# Altium PCB Main.PcbDoc (part 2 of 3) (continued)
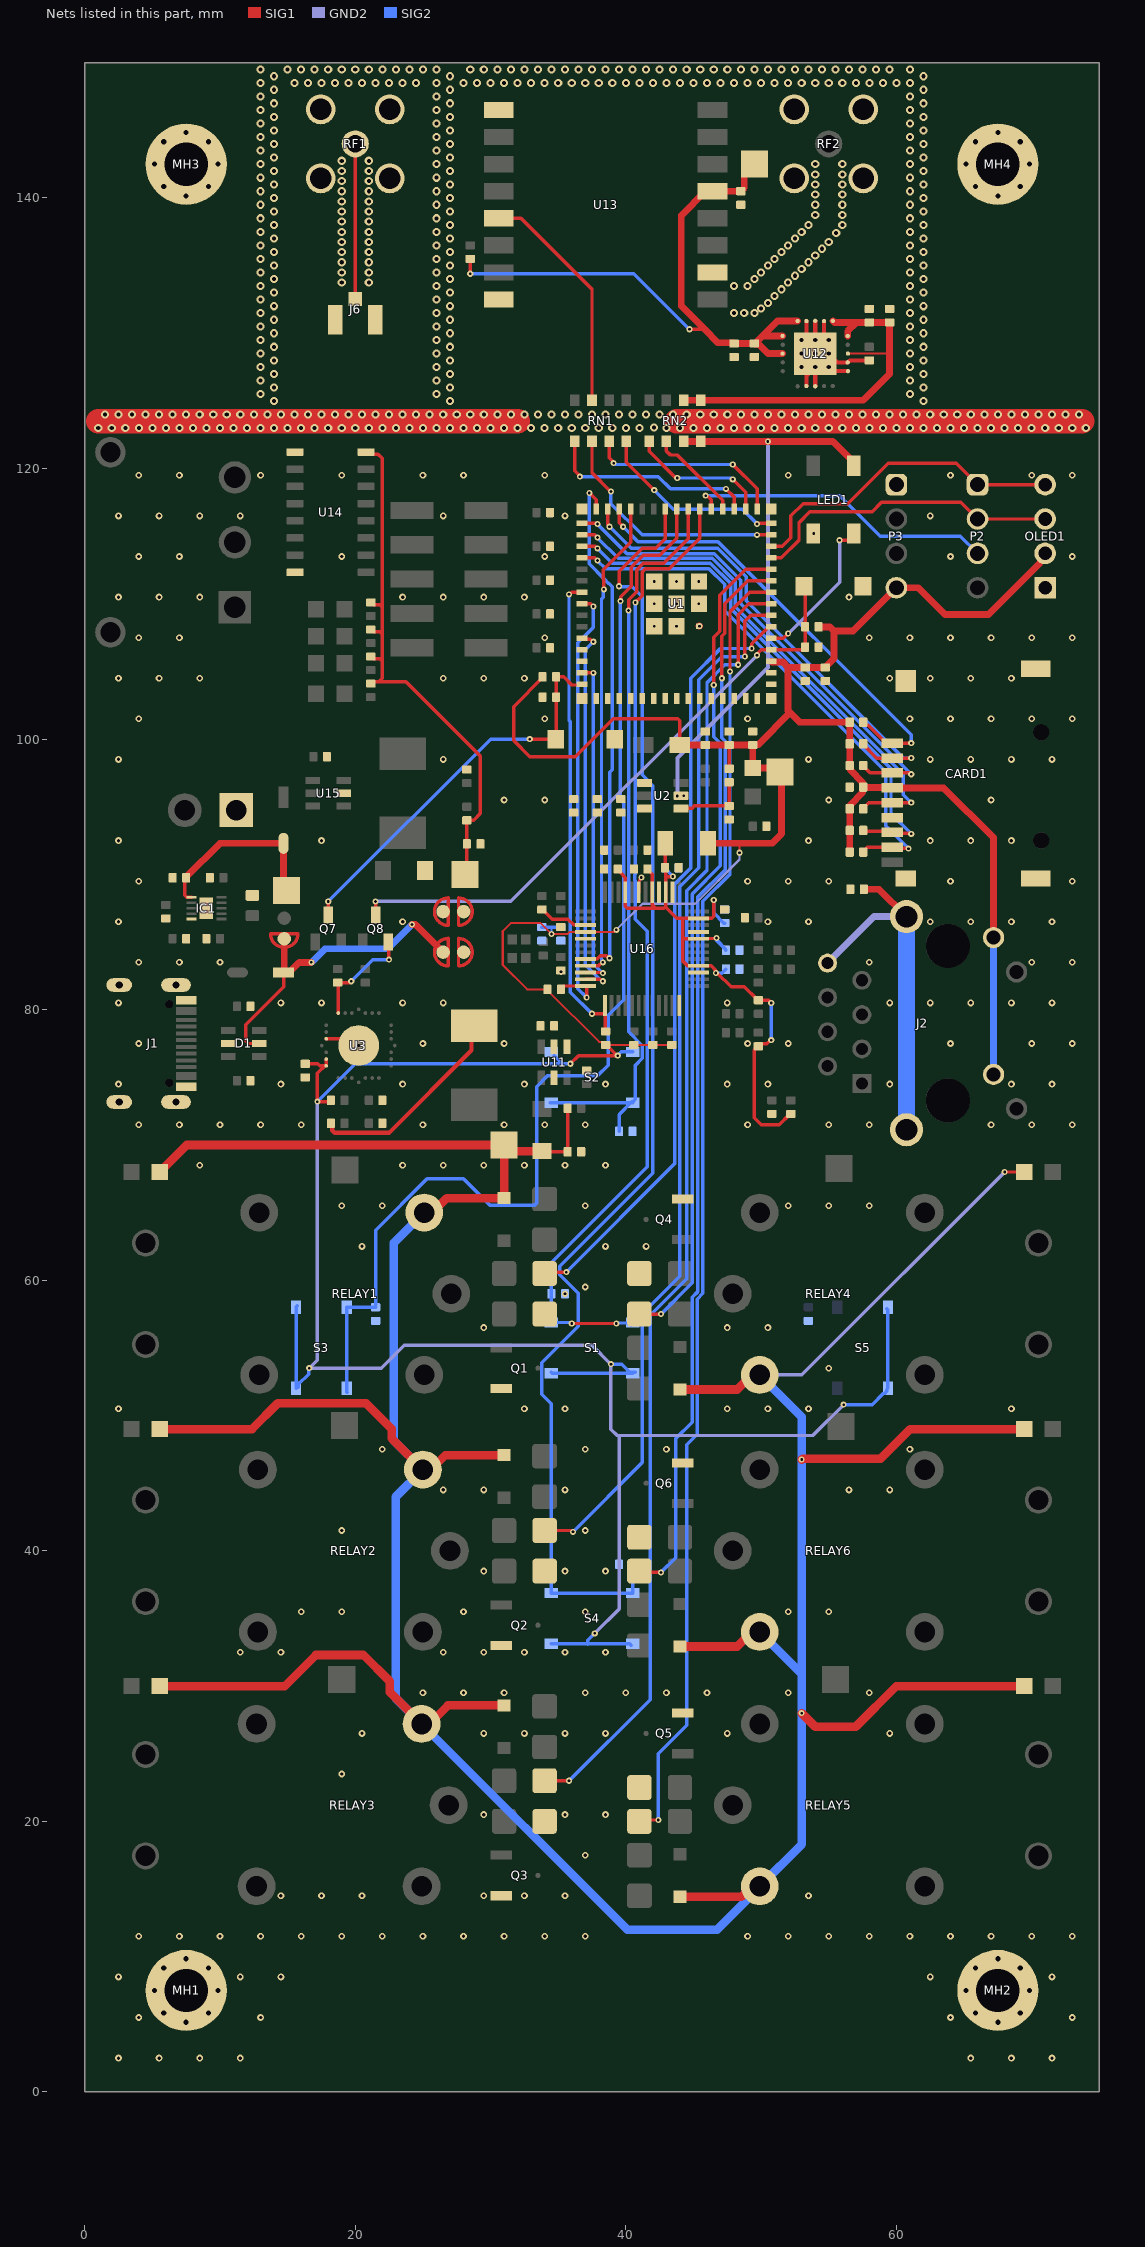
[diagram p4: the nets of this part, all layers, seen from the top]
## Via types
v1: diameter 0.6, hole 0.3, SIG1 to SIG2, 457 vias
v2: diameter 0.5, hole 0.25, SIG1 to SIG2, 260 vias
v3: diameter 0.45, hole 0.2, SIG1 to SIG2, 147 vias

## Nets (pads, with @x,y where several pads share a name; then routed paths per layer and width w, separated by ;. In a path a pad name is that pad's centre, name@x,y a point inside that pad or via, vN(x,y) a via of type N, cw(c..) or ccw(c..) an arc to the next point about the centre after c; other vN are vias at no path point)
+3V3: C6.2 C7.2 C8.2 C9.2 C10.2 C11.2 C12.2 C27.1 C28.2 CARD1.4 DS1.1 FB1.1 J2.10 J2.12 L1.2 OLED1.2 P3.4 R4.1 R6.2 R33.1 R34.1 R35.2 R36.2 R37.2 R38.2 R39.2 R40.2 R60.2 R61.2 R66.2 R67.2 R68.2 S1.A1 S1.B1 S2.A1 S2.B1 S3.A1 S3.B1 S4.A1 S4.B1 S5.A1 S5.B1 TP1.1 U1.3 U3.6 U3.7 U16.28 | length 310.3
  SIG1 w0.152: R61.2@38.4,77.5 38.276,77.624 38.026,77.624 34.2,81.45 R60.2@34.2,81.5 32.7,81.5 30.9,83.3 30.9,85.8 31.5,86.4 33.7,86.4 v3(34.5,85.6) 35.7,85.6 35.85,85.75 U16.28@37.02,85.75 39.15,85.75 v3(39.3,85.9) ; R61.2@38.65,77.4 R66.2@40.6,77.4 R67.2@41.9,77.4 ; R67.2@42,77.4 R68.2@43.5,77.4 ; 48.3,92.4 48.4,92.3 v3(48.4,91.6)
  SIG1 w0.244: C9.2@16.3,76 17.225,76 17.37,75.855 U3.7@17.8,75.855 ; U3.7@17.85,75.9 U3.6@17.85,76.35 ; R6.2@47.634,97.813 C7.2@47.634,99.563
  SIG1 w0.254: U3.7@17.8,75.9 17.2,75.3 v3(17.2,73.2) 18.027,73.2 18.2,73.373 R4.1@18.2,73.4 ; R34.1@33.9,104.6 31.7,102.4 31.7,99.9 32.9,98.7 36.266,98.7 39.082,101.516 43.835,101.516 43.984,101.367 L1.2@43.984,99.563 ; v3(35.9,76) 36.5,76.6 v3(39.4,76.6) 39.35,76.6 R61.2@38.65,77.3
  SIG1 w0.508: L1.2@43.984,99.563 C6.2@45.884,99.563 C7.2@47.634,99.563 C8.2@49.384,99.563 ; FB1.1@45.9,92.2 46,92.3 50.8,92.3 51.5,93 51.5,97.447 TP1.1@51.384,97.563 ; C8.2@49.4,99.6 49.384,99.584 DS1.1@49.384,97.863 51.137,97.863 TP1.1@51.411,97.589 ; C8.2@49.43,99.609 49.809,99.609 52.15,101.95 ; U1.3@50.75,105.75 50.804,105.696 51.604,105.696 52,105.3 ; R33.1@54.25,108.3 55.1,108.3 55.4,108 ; R35.2@56.55,91.65 R36.2@56.55,93.25 R37.2@56.55,94.85 56.596,94.896 56.596,95.146 57.504,96.054 57.504,96.404 C12.2@57.55,96.45 ; J2.12@67.2,85.1 67.18,85.12 67.18,92.72 63.5,96.4 CARD1.4@59.7,96.4 59.675,96.425 57.575,96.425 C12.2@57.55,96.45 ; OLED1.2@71,113.73 71,113.435 70.568,113.003 70.568,112.968 66.8,109.2 63.6,109.2 61.61,111.19 P3.4@60,111.19 56.81,108 55.4,108 ; 52,105.3 C10.2@53.25,105.3 C11.2@54.75,105.3 54.8,105.3 54.846,105.346 54.846,105.396 55.4,105.95 55.4,108 ; 52,105.3 52,102.1 52.85,101.25 R40.2@56.55,101.25 R39.2@56.55,99.65 R38.2@56.55,98.05 56.596,98.004 56.596,97.704 57.504,96.796 57.504,96.496 C12.2@57.55,96.45
  GND2 w0.152: v3(39.3,85.9) 41.228,87.828 45.128,87.828 48.4,91.1 v3(48.4,91.6)
  GND2 w0.254: v3(17.2,73.2) 17.2,54.1 v3(16.6,53.5) 21.927,53.5 23.627,55.2 37.5,55.2 v3(38.9,53.8) 38.9,49 39.377,48.523 39.5,48.523 ; v3(37.7,33.9) 39.5,35.7 39.5,48.523 ; v3(56.1,50.8) 53.823,48.523 39.5,48.523
  SIG2 w0.152: v3(34.5,85.6) 34.5,86.1
  SIG2 w0.254: S3.B1@15.625,52 15.625,58.025 S3.A1@15.7,58.1 ; S3.B1@15.8,52.1 15.8,52.3 16.562,53.062 16.562,53.462 v3(16.6,53.5) ; v3(17.2,73.2) 20,76 v3(35.9,76) ; C27.1@33.8,86.1 34.5,86.1 C28.2@35.2,86.1 ; S4.A1@34.5,33.125 40.275,33.125 S4.B1@40.4,33 ; S1.A1@34.5,53.2 34.575,53.125 S1.B1@40.5,53.125 ; S2.B1@34.7,76.6 35.294,76.006 ; 37.2,33.1 37.2,33.4 v3(37.7,33.9) ; v3(38.9,53.8) 39.7,53.8 40.3,53.2 S1.B1@40.7,53.2 ; v3(39.4,76.6) 39.675,76.875 S2.A1@40.5,76.875 ; v3(56.1,50.8) 58.2,50.8 59.027,51.627 59.127,51.627 59.3,51.8 S5.A1@59.3,51.9 ; S5.B1@59.3,57.9 59.375,57.825 S5.A1@59.375,52
  SIG2 w0.508: J2.10@67.18,75.215 67.18,85.08 J2.12@67.2,85.1
+3V3A: C29.1 C30.1 C31.1 C32.1 C33.1 C34.1 C35.1 FB1.2 R62.2 R63.2 R64.2 U16.4 U16.8 U16.11 U16.15 U16.17 U16.21 | length 50.7
  SIG1 w0.254: C31.1@39.5,90.25 39.817,89.933 39.817,89.894 39.95,89.76 U16.21@39.95,88.68 39.963,88.667 39.963,87.649 40.112,87.5 42.2,87.5 ; C30.1@41.6,90.4 41.6,90.35 41.95,90 U16.17@41.95,88.68 41.963,88.667 41.963,87.737 42.2,87.5 ; FB1.2@42.925,92.3 42.9,92.275 C35.1@42.9,90.5 42.937,90.463 42.937,89.8 ; v3@43.5,89.9 43.412,89.812 42.949,89.812 42.937,89.8 ; 44.2,86.7 44.2,85.399 ; v3(46.5,88.1) 46.5,86.912 46.351,86.763 45.393,86.763 U16.11@45.38,86.75 44.2,86.75 43.75,86.75 42.9,87.6 ; v3(46.7,85.3) 46.663,85.263 45.393,85.263 U16.8@45.38,85.25 44.349,85.25 44.2,85.399 ; R63.2@49.75,80.75 49.7,80.75 48.769,81.681 47.789,81.681 46.766,82.704 v3(46.652,82.704) 46.652,82.898 46.313,83.237 45.393,83.237 45.367,83.263 44.537,83.263 44.2,83.6 44.2,85.399 ; R63.2@49.8,80.7 50.55,80.7 v3(50.75,80.5) ; v3(50.75,77.75) 50.697,77.75 50.42,77.473 49.973,77.473 R62.2@49.8,77.3 49.75,77.3 49.577,77.127 49.577,77.077 49.5,77 49.5,72 50,71.5 51.35,71.5 52.1,72.25 R64.2@52.25,72.25 ; 42.2,87.5 42.8,87.5 42.9,87.6 ; 42.9,87.6 42.95,87.65 U16.15@42.95,88.68 42.937,88.693 42.937,89.8
  SIG2 w0.254: C29.1@42.9,90.5 42.9,90.45 43.473,89.877 v3(43.473,89.849) ; v3(46.5,88.1) 46.5,87.15 47.25,86.4 C32.1@47.3,86.4 ; v3(46.652,82.704) 47.104,82.704 C33.1@47.4,83 ; v3(46.7,85.3) 46.7,85.15 47.4,84.45 C34.1@47.4,84.4 ; v3(50.75,77.75) v3(50.75,80.5)
+3V3RF: C15.2 C16.2 C19.2 R16.1 TP5.1 U12.1 U12.3 U12.20 U13.13 | length 48.6
  SIG1 w0.254: v3(28.5,134.4) R16.1@28.5,135.5 ; v3(44.7,130.3) 45.8,130.3
  SIG1 w0.508: TP5.1@49.5,142.5 48.754,141.754 48.754,140.754 48.596,140.596 48.596,140.546 48.55,140.5 C19.2@48.5,140.5 U13.13@46.4,140.5 45.9,140.5 44.1,138.7 44.1,132 45.8,130.3 46.804,129.296 47.954,129.296 C16.2@48,129.25 C15.2@49.5,129.25 49.546,129.204 49.796,129.204 50.5,128.5 U12.3@51.582,128.5 ; C15.2@49.55,129.25 50.1,129.8 ; U12.1@51.582,129.8 50.1,129.8 ; U12.20@52.7,130.9 51.2,130.9 50.1,129.8
  SIG2 w0.254: v3(28.5,134.4) 40.6,134.4 v3(44.7,130.3)
+5V: C3.2 C4.2 C5.2 C23.2 L3.1 LED1.1 R10.2 RN2.3 RN2.4 SB2.2 SB3.2 U2.3 U2.5 U11.4 U11.5 | length 57.9
  SIG1 w0.305: R10.2@18.2,71.6 18.3,71.5 18.3,71.079 18.479,70.9 22.5,70.9 28.6,77 L3.1@28.6,78.8 ; U2.5@44.084,95.813 v3(44.287,95.813)
  SIG1 w0.508: RN2.3@44.27,122 RN2.4@45.54,122 v3(50.5,122) 55.3,122 56.85,120.45 LED1.1@56.85,120.2
  GND2 w0.305: v3(43.8,95.8) 43.813,95.813 43.813,98.613 50.5,105.3 v3(50.5,122)
+5V_B: C13.2 C14.2 RN2.5 RN2.6 U12.13 U12.15 U12.16 | length 28.4
  SIG1 w0.152: U12.13@56.418,128.5 59.5,128.5
  SIG1 w0.508: RN2.6@44.27,125.05 RN2.5@45.54,125.05 57.55,125.05 59.5,127 59.5,128.5 C14.2@59.5,130.8 57.05,130.8 ; U12.16@55.3,130.918 55.418,130.8 57.05,130.8 ; U12.15@56.4,129.8 56.4,130.15 57.05,130.8
+12V: C24.2 D9.1 DS2.1 DS3.1 DS4.1 DS5.1 DS6.1 DS7.1 R11.2 RELAY1.1 RELAY2.1 RELAY3.1 RELAY4.1 RELAY5.1 RELAY6.1 TP4.1 Z1.1 Z2.1 Z3.1 Z4.1 Z5.1 Z6.1 | length 301.5
  SIG1 w0.254: D9.1@33.8,69.55 33.85,69.5 C24.2@35.7,69.5 R11.2@35.7,72.7 ; v3(68,68) DS5.1@69.45,68
  SIG1 w0.635: DS4.1@5.55,30 14.8,30 17.1,32.3 20.6,32.3 22.543,30.357 22.543,29.557 24.5,27.6 RELAY3.1@24.5,27.4 ; DS3.1@5.55,49 12.366,49 14.266,50.9 20.8,50.9 22.693,49.007 22.693,48.307 RELAY2.1@24.8,46.2 ; DS2.1@5.55,68 7.55,70 TP4.1@31,70 ; RELAY3.1@24.9,27.2 25.473,27.2 26.848,28.575 Z3.1@31,28.575 ; RELAY2.1@25,46 25.584,46 26.659,47.075 Z2.1@31,47.075 ; RELAY1.1@25.1,65 25.684,65 26.759,66.075 Z1.1@31,66.075 TP4.1@31,70 ; D9.1@33.8,69.55 31.45,69.55 TP4.1@31,70 ; Z5.1@44,14.425 48.541,14.425 49.316,15.2 RELAY5.1@49.9,15.2 ; Z6.1@44,32.925 48.241,32.925 49.316,34 RELAY6.1@49.9,34 ; Z4.1@44,51.925 48.241,51.925 49.316,53 RELAY4.1@49.9,53 ; v3(53,28) 54,27 57,27 60,30 DS6.1@69.45,30 ; v3(53,46.75) 53.065,46.815 58.844,46.815 61.028,49 DS7.1@69.45,49
  GND2 w0.254: RELAY4.1@49.9,53 53,53 v3(68,68)
  SIG2 w0.635: RELAY1.1@25.1,65 22.85,62.75 22.85,48.15 RELAY2.1@25,46 23,44 23,29.1 RELAY3.1@24.9,27.2 40.1,12 46.75,12 49.9,15.15 RELAY5.1@49.9,15.2 53,18.3 v3(53,28) 53,30.9 ; RELAY6.1@49.9,34 53,30.9 ; RELAY4.1@49.9,53 53,49.9 v3(53,46.75) 53,30.9
+BAT_5V: C26.2 D6.1 R54.1 R55.1 R56.1 R57.1 R58.2 SB2.1 TP19.1 U14.16 | length 40.8
  SIG1 w0.254: U14.16@20.8,121.22 20.948,121.072 21.678,121.072 22,120.75 22,109.75 ; R56.1@21.15,106.1 21.323,105.927 21.823,105.927 22,105.75 ; R55.1@21.15,108.1 21.323,107.927 21.823,107.927 22,107.75 ; R54.1@21.15,110.1 21.323,109.927 21.823,109.927 22,109.75 ; R57.1@21.25,104.25 23.75,104.25 29.25,98.75 29.25,94.5 28.75,94 R58.2@28.25,94 C26.2@28.25,92.25 28.25,90.15 TP19.1@28.1,90 ; 21.75,104.25 22,104.5 22,105.75 ; 22,105.75 22,107.75 ; 22,107.75 22,109.75
+VBAT: C22.2 D3.2 IC1.1 TP13.1 | length 13.8
  SIG1 w0.254: C22.2@7.5,89.75 7.4,89.65 7.4,88.449 7.549,88.3 IC1.1@7.9,88.3
  SIG1 w0.508: C22.2@7.5,89.75 7.5,89.8 10,92.3 D3.2@14.7,92.3 14.7,89 TP13.1@14.9,88.8
+VUSB: D1.5 D2.1 SB1.1 SB3.1 | length 23.9
  SIG1 w0.254: D1.5@12.899,77.5 12.1,77.5 11.9,77.7 11.9,78.9 14.7,81.7 D2.1@14.7,82.75
  SIG1 w0.508: SB1.1@14.75,85.238 14.75,82.8 D2.1@14.7,82.75 15.108,82.75 15.858,83.5 v3(16.75,83.5) ; v3(24.2,86.3) 24.438,86.3 SB3.1@26.488,84.25
  SIG2 w0.508: v3(16.75,83.5) 17.75,84.5 22.4,84.5 v3(24.2,86.3)
ACTLED: R72.2 U16.27 | length 3.7
  SIG1 w0.254: R72.2@33.8,87.4 33.85,87.4 34.55,86.7 35.7,86.7 36.137,86.263 37.007,86.263 U16.27@37.02,86.25
BOOT0: C18.2 Q8.3 R33.2 SW2.2 U1.4 | length 45.1
  SIG1 w0.254: Q8.3@21.5,87 v3(21.5,88) ; v3(49.7,106.2) 49.738,106.238 49.738,106.338 50,106.6 53.077,106.6 53.25,106.773 C18.2@53.25,106.8 R33.2@53.25,108.3 53.25,111.215 SW2.2@53.165,111.3
  GND2 w0.254: v3(21.5,88) 31.5,88 v3(49.7,106.2)
CGND: C44.2 J2.8 J2.13 J2.14 | length 27.2
  SIG1 w0.508: C44.2@57.6,88.9 58.725,88.9 J2.14@60.75,86.875
  GND2 w0.508: J2.8@54.91,83.445 58.34,86.875 60.775,86.875 J2.14@60.8,86.9
  SIG2 w1.27: J2.13@60.75,71.125 60.75,86.95 J2.14@60.8,87
CLK: CARD1.5 R37.1 U1.32 | length 38.3
  SIG1 w0.254: U1.32@36.75,115.1 37.7,115.1 v3(37.9,114.9) ; R37.1@57.55,94.85 57.55,94.9 57.95,95.3 CARD1.5@59.7,95.3 v3(61.1,95.3)
  SIG2 w0.254: v3(37.9,114.9) 39.444,113.356 46.396,113.356 48.1,111.652 48.1,109.8 60.5,97.4 60.5,95.9 v3(61.1,95.3)
CMD: CARD1.3 R38.1 U1.31 | length 36.9
  SIG1 w0.254: U1.31@36.75,115.95 37.85,115.95 v3(37.9,115.9) ; R38.1@57.55,98.05 57.55,98 58.05,97.5 CARD1.3@59.7,97.5 60.947,97.5 61.047,97.4 v3(61.1,97.4)
  SIG2 w0.254: v3(37.9,115.9) 40.088,113.712 46.544,113.712 48.5,111.756 48.5,110 v3(61.1,97.4)
CS: RN1.2 U1.14 | length 18
  SIG1 w0.254: RN1.2@37.5,122 37.5,119.7 v3(38.9,118.3) ; v3(49.7,115.1) U1.14@50.75,115.1
  SIG2 w0.254: v3(38.9,118.3) 38.9,117.4 41.2,115.1 v3(49.7,115.1)
CS_B: RN1.7 U13.5 | length 17.3
  SIG1 w0.254: U13.5@30.6,138.5 32.25,138.5 37.5,133.25 RN1.7@37.5,125.05
D0: CARD1.7 R36.1 U1.33 | length 39.8
  SIG1 w0.254: U1.33@36.75,114.25 37.75,114.25 v3(37.9,114.1) ; R36.1@57.55,93.25 57.625,93.175 59.625,93.175 CARD1.7@59.7,93.1 59.763,93.038 61.062,93.038 v3(61.1,93)
  SIG2 w0.254: v3(37.9,114.1) 39,113 46.249,113 47.744,111.505 47.744,109.653 59.6,97.797 59.6,94.5 v3(61.1,93)
D1: CARD1.8 R35.1 U1.34 | length 40.1
  SIG1 w0.254: U1.34@36.75,113.4 37.7,113.4 v3(37.9,113.2) ; R35.1@57.55,91.65 57.55,91.7 57.85,92 CARD1.8@59.7,92 59.763,91.938 60.862,91.938 v3(60.9,91.9)
  SIG2 w0.254: v3(37.9,113.2) 38.5,112.6 46.145,112.6 47.3,111.445 47.3,109.5 59.2,97.6 59.2,93.6 v3(60.9,91.9)
D2: CARD1.1 R40.1 U1.28 | length 33.9
  SIG1 w0.254: U1.28@39.5,117 39.5,116 v3(39.8,115.7) ; R40.1@57.55,101.25 57.55,101.2 57.723,101.027 57.923,101.027 59.25,99.7 CARD1.1@59.7,99.7 v3(61.1,99.7)
  SIG2 w0.254: v3(39.8,115.7) 40.9,114.6 46.812,114.6 61.097,100.315 61.097,99.703 v3(61.1,99.7)
D3: CARD1.2 R39.1 U1.29 | length 35.8
  SIG1 w0.254: U1.29@38.65,117 38.65,115.85 v3(38.8,115.7) ; R39.1@57.55,99.65 57.55,99.6 58.55,98.6 CARD1.2@59.7,98.6 v3(61.1,98.6)
  SIG2 w0.254: v3(38.8,115.7) 40.389,114.111 46.797,114.111 48.901,112.007 48.901,110.222 60.523,98.6 v3(61.1,98.6)
DTR: Q8.2 R9.2 U3.28 | length 8.1
  SIG1 w0.254: U3.28@18.75,79.75 18.747,79.753 18.747,81.953 R9.2@18.7,82 19.547,82 19.647,82.1 v3(19.7,82.1) ; Q8.2@22.45,85 22.475,84.975 22.475,83.725 v3(22.5,83.7)
  SIG2 w0.254: v3(19.7,82.1) 21.3,83.7 v3(22.5,83.7)
EN: C1.2 Q7.3 R34.2 SW1.2 U1.45 | length 29.6
  SIG1 w0.254: Q7.3@18,87 v3(18,88) ; v3(32.9,100) SW1.2@34.815,100 34.85,100.035 C1.2@34.85,103.1 R34.2@34.85,104.6 35.4,104.6 36,104 36.7,104 U1.45@36.75,104.05
  SIG2 w0.254: v3(18,88) 30,100 v3(32.9,100)
ESP32_RF: J6.1 RF1.5 | length 11.5
  SIG1 w0.254: J6.1@20,132.525 RF1.5@20,144
ETH_CLK: U1.27 U16.33 | length 35.9
  SIG1 w0.254: U16.33@37.02,83.25 37.033,83.263 38.01,83.263 38.247,83.5 v3(38.3,83.5) ; v3(38.377,111.074) 38.377,111.798 38.323,111.852 38.323,112.523 40.35,114.55 U1.27@40.35,117
  SIG2 w0.254: v3(38.3,83.5) 38.3,83.553 38.2,83.653 38.2,110.341 38.339,110.48 38.339,111.037 v3(38.377,111.074)
ETH_INTN: R60.1 U1.38 U16.36 | length 33.4
  SIG1 w0.254: R60.1@35.2,81.5 35.2,81.55 35.373,81.723 35.423,81.723 35.45,81.75 U16.36@37.02,81.75 ; U1.38@36.75,110 37.4,110 v3(37.6,109.8) ; U16.36@37.087,81.75 37.1,81.737 v3(37.1,80.9)
  SIG2 w0.254: v3(37.1,80.9) 36.456,81.544 36.456,107.108 37.6,108.252 v3(37.6,109.8)
ETH_MISO: U1.44 U16.34 | length 24.6
  SIG1 w0.254: U1.44@36.75,104.9 v3(37.6,104.9) ; U16.34@37.02,82.75 38.197,82.75 38.247,82.7 v3(38.3,82.7)
  SIG2 w0.254: v3(37.6,104.9) 37.6,83.4 v3(38.3,82.7)
ETH_MOSI: U1.41 U16.35 | length 28.2
  SIG1 w0.254: U1.41@36.75,107.45 36.823,107.377 37.37,107.377 37.547,107.2 v3(37.6,107.2) ; U16.35@37.02,82.25 37.033,82.237 38.11,82.237 38.247,82.1 v3(38.3,82.1)
  SIG2 w0.254: v3(37.6,107.2) 37,106.6 37,83.323 38.223,82.1 v3(38.3,82.1)
ETH_NCS: U1.30 U16.32 | length 38.6
  SIG1 w0.254: U16.32@37.02,83.75 37.033,83.763 37.886,83.763 38.1,83.977 38.57,83.977 38.747,83.8 v3(38.8,83.8) ; v3(37.3,118.2) 37.8,117.7 U1.30@37.8,117
  SIG2 w0.254: v3(37.3,118.2) 37.3,112.948 38.423,111.825 38.423,111.802 38.702,111.523 38.725,111.523 39,111.248 39,97.738 38.8,97.538 v3(38.8,83.8)
ETH_NRST: R61.1 U1.37 U16.37 | length 36.1
  SIG1 w0.254: v3(35.8,110.7) 35.853,110.7 36.003,110.85 U1.37@36.75,110.85 ; v3(37.5,79.7) 38.437,79.7 38.45,79.713 U16.37@38.45,80.32 38.463,80.307 38.463,78.563 R61.1@38.4,78.5
  SIG2 w0.254: v3(35.8,110.7) 35.8,101.4 35.9,101.3 35.9,81.3 v3(37.5,79.7)
FB: R6.1 R7.2 U2.4 | length 5.4
  SIG1 w0.254: U2.4@44.084,94.863 44.121,94.9 44.9,94.9 45.063,95.063 R7.2@47.634,95.063 R6.1@47.634,96.813
GND: C1.1 C3.1 C4.1 C5.1 C6.1 C7.1 C8.1 C9.1 C10.1 C11.1 C12.1 C13.1 C14.1 C15.1 C16.1 C17.2 C18.1 C19.1 C20.1 C21.2 C22.1 C23.1 C24.1 C25.1 C26.1 C27.2 C28.1 C29.2 C30.2 C31.2 C32.2 C33.2 C34.2 C35.2 C36.1 C37.1 C39.1 C41.1 C42.1 C43.1 C44.1 CARD1.6 CARD1.10 CARD1.11 CARD1.12 CARD1.13 D1.2 IC1.5 IC1.11 J1.A1B12 J1.B1A12 J1.SH J6.2 J6.3 LED1.3 MH1.1 MH2.1 MH3.1 MH4.1 OLED1.1 P3.1 Q1.3 Q2.3 Q3.3 Q4.3 Q5.3 Q6.3 R2.2 R3.2 R5.1 R7.1 R8.1 R15.1 R19.1 R20.1 R27.1 R28.1 R29.1 R30.1 R32.1 R41.1 R42.1 R43.1 R44.2 R45.2 R46.2 R47.2 R48.2 R49.2 R50.2 R51.2 R52.2 R53.2 R59.1 R69.1 RF1.1 RF1.2 RF1.3 RF1.4 RF2.1 RF2.2 RF2.3 RF2.4 SW1.1 SW2.1 U1.1 U1.2 U1.42 U1.43 U1.46 U1.47 U1.48 U1.49 U1.50 U1.51 U1.52 U1.53 U1.54 U1.55 U1.56 U1.57 U1.58 U1.59 U1.60 U1.61_1 U1.61_2 U1.61_3 U1.61_4 U1.61_5 U1.61_6 U1.61_7 U1.61_8 U1.61_9 U1.62 U1.63 U1.64 U1.65 U2.1 U3.3 U3.29 U10.1 U11.2 U12.7 U12.8 U12.11 U12.12 U12.17 U12.18 U12.19 U12.21 U13.1 U13.8 U13.10 U14.1 U14.8 U15.2 U16.3 U16.9 U16.14 U16.16 U16.19 U16.29 U16.48 | length 86.8
  SIG1 w0.203: U16.19@40.95,88.68 40.988,88.718 40.988,89.535 41.144,89.69 v3(41.144,89.768)
  SIG1 w0.254: U3.3@17.85,77.85 17.853,77.847 19.753,77.847 U3.29@20.2,77.4 ; LED1.3@53.85,115.2 v3(53.9,115.2)
  SIG1 w0.305: v1(53,129.5) 53.35,129.85 U12.19@53.35,130.9 ; U12.7@53.35,126.1 53.35,126.857 53.993,127.5 v1(54,127.5) U12.8@54,126.082 ; v1(54,129.5) U12.18@54,130.918 ; U12.17@54.65,130.9 54.65,129.85 v1(55,129.5) ; v1(55,127.5) 55.3,127.2 U12.11@56.418,127.2 ; U12.21@55,128.493 55.643,127.85 U12.12@56.4,127.85 56.403,127.85 56.553,128 C17.2@58,128
  SIG1 w0.508: U1.61_1@45.4,108.35 v3(45.45,108.35)
  SIG1 w1.8: 1,123.5 1.5,123.5 2,123.5 15,123.5 ; 13.5,123.5 15,123.5 ; 17.5,123.5 15,123.5 ; 22.5,123.5 25,123.5 ; 25.5,123.5 25,123.5 ; 27.5,123.5 25,123.5 ; 32,123.5 25,123.5 ; 43.75,123.5 44,123.5 44.5,123.5 45.5,123.5 46,123.5 46.5,123.5 47,123.5 48,123.5 48.5,123.5 49,123.5 49.5,123.5 50.5,123.5 51,123.5 51.5,123.5 52,123.5 53,123.5 53.5,123.5 54,123.5 54.5,123.5 55.5,123.5 56,123.5 56.5,123.5 57,123.5 58,123.5 58.5,123.5 59,123.5 59.5,123.5 60.5,123.5 61,123.5 61.5,123.5 62,123.5 63,123.5 63.5,123.5 64,123.5 64.5,123.5 65.5,123.5 66,123.5 66.5,123.5 67,123.5 68,123.5 68.5,123.5 69,123.5 69.5,123.5 70.5,123.5 71,123.5 71.5,123.5 72,123.5 73,123.5 73.5,123.5 73.75,123.5 ; 15,123.5 25,123.5
  other v1: 1,123 2,123 3,123 4,123 5,123 6,123 7,123 8,123 9,123 10,123 11,123 12,123 13,123 14,123 15,123 16,123 17,123 18,123 19,123 20,123 21,123 22,123 23,123 24,123 25,123 26,123 27,123 28,123 29,123 30,123 31,123 32,123 33,123 34,123 35,123 36,123 37,123 38,123 39,123 40,123 41,123 43,123 44,123 45,123 46,123 47,123 48,123 49,123 50,123 51,123 52,123 53,123 54,123 55,123 56,123 57,123 58,123 59,123 60,123 61,123 62,123 63,123 64,123 65,123 66,123 67,123 68,123 69,123 70,123 71,123 72,123 73,123 74,123 42.092,123.037 1.5,124 2.5,124 3.5,124 4.5,124 5.5,124 6.5,124 7.5,124 8.5,124 9.5,124 10.5,124 11.5,124 12.5,124 13.5,124 14.5,124 15.5,124 16.5,124 17.5,124 18.5,124 19.5,124 20.5,124 21.5,124 22.5,124 23.5,124 24.5,124 25.5,124 26.5,124 27.5,124 28.5,124 29.5,124 30.5,124 31.5,124 32.5,124 33.5,124 34.5,124 35.5,124 36.5,124 37.5,124 38.5,124 39.5,124 40.5,124 41.5,124 42.5,124 43.5,124 44.5,124 45.5,124 46.5,124 47.5,124 48.5,124 49.5,124 50.5,124 51.5,124 52.5,124 53.5,124 54.5,124 55.5,124 56.5,124 57.5,124 58.5,124 59.5,124 60.5,124 61.5,124 62.5,124 63.5,124 64.5,124 65.5,124 66.5,124 67.5,124 68.5,124 69.5,124 70.5,124 71.5,124 72.5,124 73.5,124 14,125 27,125 62,125 13,125.5 26,125.5 61,125.5 14,126 27,126 62,126 13,126.5 26,126.5 61,126.5 14,127 27,127 62,127 13,127.5 26,127.5 53,127.5 61,127.5 14,128 27,128 62,128 13,128.5 26,128.5 53,128.5 54,128.5 55,128.5 61,128.5 14,129 27,129 62,129 13,129.5 26,129.5 61,129.5 14,130 27,130 62,130 13,130.5 26,130.5 61,130.5 14,131 27,131 62,131 13,131.5 26,131.5 48,131.5 48.75,131.5 49.5,131.5 61,131.5 49.996,131.834 14,132 27,132 62,132 50.5,132.25 13,132.5 26,132.5 61,132.5 51,132.75 14,133 27,133 62,133 51.5,133.25 13,133.5 26,133.5 48,133.5 49,133.5 61,133.5 19,133.75 21,133.75 52,133.75 14,134 27,134 49.5,134 62,134 52.5,134.25 13,134.5 19,134.5 21,134.5 26,134.5 50,134.5 61,134.5 53,134.75 14,135 27,135 50.5,135 62,135 19,135.25 21,135.25 53.5,135.25 13,135.5 26,135.5 51,135.5 61,135.5 54,135.75 14,136 19,136 21,136 27,136 51.5,136 62,136 54.5,136.25 13,136.5 26,136.5 52,136.5 61,136.5 19,136.75 21,136.75 55,136.75 14,137 27,137 52.5,137 62,137 55.551,137.412 13,137.5 19,137.5 21,137.5 26,137.5 53,137.5 61,137.5 14,138 27,138 53.5,138 56,138 62,138 19,138.25 21,138.25 13,138.5 26,138.5 61,138.5 54,138.75 56,138.75 14,139 19,139 21,139 27,139 62,139 13,139.5 26,139.5 54,139.5 56,139.5 61,139.5 19,139.75 21,139.75 14,140 27,140 62,140 54,140.25 56,140.25 13,140.5 19,140.5 21,140.5 26,140.5 61,140.5 14,141 27,141 54,141 56,141 62,141 19,141.25 21,141.25 13,141.5 26,141.5 61,141.5 54,141.75 56,141.75 14,142 19,142 21,142 27,142 62,142 13,142.5 26,142.5 54,142.5 56,142.5 61,142.5 19,142.75 21,142.75 14,143 27,143 62,143 13,143.5 26,143.5 61,143.5 14,144 27,144 62,144 13,144.5 26,144.5 61,144.5 14,145 27,145 62,145 13,145.5 26,145.5 61,145.5 14,146 27,146 62,146 13,146.5 26,146.5 61,146.5 14,147 27,147 62,147 13,147.5 26,147.5 61,147.5 14,148 27,148 62,148 13,148.5 15.5,148.5 16.5,148.5 17.5,148.5 18.5,148.5 19.5,148.5 20.5,148.5 21.5,148.5 22.5,148.5 23.5,148.5 24.5,148.5 26,148.5 28,148.5 29,148.5 30,148.5 31,148.5 32,148.5 33,148.5 34,148.5 35,148.5 36,148.5 37,148.5 38,148.5 39,148.5 40,148.5 41,148.5 42,148.5 43,148.5 44,148.5 45,148.5 46,148.5 47,148.5 48,148.5 49,148.5 50,148.5 51,148.5 52,148.5 53,148.5 54,148.5 55,148.5 56,148.5 57,148.5 58,148.5 59,148.5 60,148.5 61,148.5 14,149 27,149 62,149 13,149.5 15,149.5 16,149.5 17,149.5 18,149.5 19,149.5 20,149.5 21,149.5 22,149.5 23,149.5 24,149.5 25,149.5 26,149.5 28.5,149.5 29.5,149.5 30.5,149.5 31.5,149.5 32.5,149.5 33.5,149.5 34.5,149.5 35.5,149.5 36.5,149.5 37.5,149.5 38.5,149.5 39.5,149.5 40.5,149.5 41.5,149.5 42.5,149.5 43.5,149.5 44.5,149.5 45.5,149.5 46.5,149.5 47.5,149.5 48.5,149.5 49.5,149.5 50.5,149.5 51.5,149.5 52.5,149.5 53.5,149.5 54.5,149.5 55.5,149.5 56.5,149.5 57.5,149.5 58.5,149.5 59.5,149.5 61,149.5
  other v2: 2.5,2.5 5.5,2.5 8.5,2.5 11.5,2.5 65.5,2.5 68.5,2.5 71.5,2.5 4,5.5 13,5.5 64,5.5 73,5.5 2.5,8.5 11.5,8.5 14.5,8.5 62.5,8.5 71.5,8.5 4,11.5 7,11.5 10,11.5 13,11.5 16,11.5 19,11.5 22,11.5 25,11.5 28,11.5 31,11.5 34,11.5 37,11.5 49,11.5 52,11.5 55,11.5 58,11.5 61,11.5 64,11.5 67,11.5 70,11.5 73,11.5 14.5,14.5 17.5,14.5 20.5,14.5 29.5,14.5 32.5,14.5 35.5,14.5 53.5,14.5 37,17.5 29.5,20.5 35.5,20.5 38.5,20.5 19,23.5 20.5,26.5 29.5,26.5 32.5,26.5 35.5,26.5 38.5,26.5 47.5,26.5 59.5,26.5 25,29.5 28,29.5 31,29.5 37,29.5 40,29.5 43,29.5 46,29.5 52,29.5 58,29.5 11.5,32.5 14.5,32.5 26.5,32.5 29.5,32.5 32.5,32.5 35.5,32.5 38.5,32.5 16,35.5 19,35.5 28,35.5 37,35.5 52,35.5 55,35.5 29.5,38.5 35.5,38.5 38.5,38.5 19,41.5 37,41.5 26.5,44.5 29.5,44.5 35.5,44.5 56.5,44.5 59.5,44.5 22,47.5 37,47.5 43,47.5 61,47.5 2.5,50.5 32.5,50.5 35.5,50.5 47.5,50.5 50.5,50.5 53.5,50.5 68.5,50.5 55,53.5 29.5,56.5 47.5,56.5 50.5,56.5 37,59.5 20.5,62.5 38.5,62.5 41.5,62.5 19,65.5 22,65.5 37,65.5 52,65.5 55,65.5 58,65.5 8.5,68.5 23.5,68.5 26.5,68.5 29.5,68.5 32.5,68.5 35.5,68.5 38.5,68.5 4,71.5 7,71.5 10,71.5 13,71.5 16,71.5 25,71.5 31,71.5 34,71.5 37,71.5 49,71.5 55,71.5 58,71.5 67,71.5 70,71.5 73,71.5 2.5,74.5 14.5,74.5 23.5,74.5 32.5,74.5 38.5,74.5 47.5,74.5 50.5,74.5 59.5,74.5 68.5,74.5 71.5,74.5 4,77.5 25,77.5 31,77.5 49,77.5 52,77.5 64,77.5 70,77.5 73,77.5 2.5,80.5 14.5,80.5 17.5,80.5 23.5,80.5 26.5,80.5 47.5,80.5 59.5,80.5 62.5,80.5 65.5,80.5 68.5,80.5 71.5,80.5 4,83.5 7,83.5 10,83.5 58,83.5 70,83.5 73,83.5 2.5,86.5 23.5,86.5 50.5,86.5 53.5,86.5 62.5,86.5 65.5,86.5 68.5,86.5 71.5,86.5 4,89.5 49,89.5 52,89.5 55,89.5 64,89.5 73,89.5 2.5,92.5 17.5,92.5 53.5,92.5 62.5,92.5 65.5,92.5 68.5,92.5 31,95.5 34,95.5 55,95.5 67,95.5 2.5,98.5 26.5,98.5 53.5,98.5 62.5,98.5 65.5,98.5 68.5,98.5 71.5,98.5 4,101.5 34,101.5 49,101.5 61,101.5 64,101.5 67,101.5 70,101.5 73,101.5 2.5,104.5 5.5,104.5 8.5,104.5 26.5,104.5 29.5,104.5 32.5,104.5 59.5,104.5 62.5,104.5 65.5,104.5 68.5,104.5 4,107.5 7,107.5 34,107.5 58,107.5 61,107.5 64,107.5 67,107.5 70,107.5 73,107.5 2.5,110.5 5.5,110.5 8.5,110.5 23.5,110.5 26.5,110.5 29.5,110.5 32.5,110.5 56.5,110.5 4,113.5 7,113.5 19,113.5 34,113.5 64,113.5 73,113.5 2.5,116.5 5.5,116.5 8.5,116.5 11.5,116.5 26.5,116.5 35.5,116.5 62.5,116.5 4,119.5 7,119.5 13,119.5 19,119.5 25,119.5 28,119.5 34,119.5 52,119.5 64,119.5 70,119.5 73,119.5
  other v3: 35.5,59 20.25,77.35 35.2,82.8 42.1,108.35 43.75,108.35 42.1,110 43.75,110 45.4,110 42.1,111.65 43.75,111.65 45.4,111.65
GPIO1: LED1.4 U1.5 | length 11.2
  SIG1 w0.254: U1.5@50.75,107.45 51.65,107.45 v3(52,107.8) ; v3(55.8,114.7) 56.477,114.7 56.85,115.073 LED1.4@56.85,115.2
  GND2 w0.254: v3(52,107.8) 55.8,111.6 v3(55.8,114.7)
GPIO2: R12.2 U1.6 | length 56.8
  SIG1 w0.254: R12.2@34.2,60.6 v3(35.6,60.6) ; v3(49.3,106.7) 49.3,107.05 50.55,108.3 U1.6@50.75,108.3
  SIG2 w0.254: v3(35.6,60.6) 43.6,68.6 43.6,89.27 44.8,90.47 44.8,104.5 47,106.7 v3(49.3,106.7)
GPIO3: R17.2 U1.7 | length 77.7
  SIG1 w0.254: R17.2@34.1,41.5 35.947,41.5 36.047,41.4 v3(36.1,41.4) ; v3(48.8,106.1) 48.8,108.7 49.25,109.15 U1.7@50.75,109.15
  SIG2 w0.254: v3(36.1,41.4) 41.229,46.529 41.229,57.529 44,60.3 44,89.1 45.4,90.5 45.4,104.4 47.1,106.1 v3(48.8,106.1)
GPIO4: R18.2 U1.8 | length 96.5
  SIG1 w0.254: R18.2@34,23 v3(35.8,23) ; v3(48.3,105.5) 48.3,109.2 49.1,110 U1.8@50.75,110
  SIG2 w0.254: v3(35.8,23) 41.8,29 41.8,57.4 44.5,60.1 44.5,88.8 46,90.3 46,104.175 47.325,105.5 v3(48.3,105.5)
GPIO5: R25.2 U1.9 | length 96.3
  SIG1 w0.254: R25.2@41.2,20.1 v3(42.4,20.1) ; v3(47.7,105) 47.7,109.4 49.15,110.85 U1.9@50.75,110.85
  SIG2 w0.254: v3(42.4,20.1) 42.405,20.105 42.405,25.005 44.5,27.1 44.5,47.834 45.273,48.607 45.273,58.603 45.7,59.03 45.7,88 47.7,90 v3(47.7,105)
GPIO6: R26.2 U1.10 | length 79.6
  SIG1 w0.254: R26.2@40.9,38.5 41,38.4 v3(42.6,38.4) ; v3(47.1,104.5) 47.1,107.616 47.3,107.816 47.3,110 49,111.7 U1.10@50.75,111.7
  SIG2 w0.254: v3(42.6,38.4) 43.7,39.5 43.7,48.3 44.917,49.517 44.917,58.75 45.3,59.133 45.3,88.3 47.344,90.344 47.344,99.846 47.1,100.09 v3(47.1,104.5)
GPIO7: R24.2 U1.11 | length 61.7
  SIG1 w0.254: R24.2@40.8,57.5 v3(42.6,57.5) ; v3(46.5,104) 46.5,107.519 46.941,107.96 46.941,110.641 48.85,112.55 U1.11@50.75,112.55
  SIG2 w0.254: v3(42.6,57.5) 44.9,59.8 44.9,88.548 46.988,90.636 46.988,99.698 46.5,100.186 v3(46.5,104)
GPIO8: OLED1.3 P2.2 U1.12 | length 23.2
  SIG1 w0.254: U1.12@50.75,113.4 51.5,113.4 52.8,114.7 52.8,116 53.6,116.8 58.2,116.8 58.9,117.5 64.77,117.5 P2.2@66,116.27 OLED1.3@71,116.27
GPIO9: OLED1.4 P2.1 U1.13 | length 24.4
  SIG1 w0.254: U1.13@50.75,114.25 50.765,114.265 51.565,114.265 52.2,114.9 52.2,116.5 53.111,117.411 56.412,117.411 59.4,120.4 64.41,120.4 P2.1@66,118.81 OLED1.4@71,118.81
GPIO11: RN1.4 U1.15 | length 14.2
  SIG1 w0.254: RN1.4@40.04,122 40.02,121.98 40.02,120.48 v3(42.1,118.4) ; v3(49.7,115.9) 49.75,115.95 U1.15@50.75,115.95
  SIG2 w0.254: v3(42.1,118.4) 43.5,117 48.6,117 v3(49.7,115.9)
GPIO12: RN1.3 U1.16 | length 14.6
  SIG1 w0.254: RN1.3@38.77,122 38.77,120.783 39.1,120.453 v3(39.1,120.4) ; v3(47.9,120.3) 49.7,118.5 U1.16@49.7,117
  SIG2 w0.254: v3(39.1,120.4) 39.2,120.3 v3(47.9,120.3)
GPIO13: RN2.1 U1.17 | length 10.4
  SIG1 w0.254: RN2.1@41.73,122 41.73,121.27 43.662,119.338 43.762,119.338 v3(43.8,119.3) ; v3(47.9,119.2) 48.85,118.25 U1.17@48.85,117
  SIG2 w0.254: v3(43.8,119.3) 47.747,119.3 47.847,119.2 v3(47.9,119.2)
GPIO14: RN1.1 U1.18 | length 15.7
  SIG1 w0.254: RN1.1@36.23,122 36.23,119.823 36.6,119.453 v3(36.6,119.4) ; v3(47.4,118.5) 48,117.9 U1.18@48,117
  SIG2 w0.254: v3(36.6,119.4) 42.4,119.4 43.3,118.5 v3(47.4,118.5)
GPIO15: RN2.2 U1.19 | length 7
  SIG1 w0.254: RN2.2@43,122 43,121.3 43.3,121 43.8,121 47.15,117.65 U1.19@47.15,117
GPIO16: P2.3 U1.20 | length 23.1
  SIG1 w0.254: v3(45.9,118) 46,118 46.3,117.7 U1.20@46.3,117
  SIG2 w0.254: v3(45.9,118) 55.8,118 58.8,115 64.73,115 P2.3@66,113.73
GPIO17: R44.1 S1.C1 S1.D1 U1.21 | length 72.3
  SIG1 w0.254: v3(36,56.8) v3(39.3,56.8) ; v3(40.7,110.1) 41.2,110.6 41.2,112.351 41.449,112.6 43.2,112.6 45.45,114.85 U1.21@45.45,117
  SIG2 w0.254: S1.C1@34.5,56.875 35.925,56.875 v3(36,56.8) ; S1.C1@34.5,56.9 R44.1@34.5,59 ; R44.1@34.5,59.1 34.5,61.3 41.585,68.385 41.585,85.787 40.7,86.672 40.7,89.538 40.667,89.571 40.667,89.966 40.7,89.999 v3(40.7,110.1) ; v3(39.3,56.8) 39.338,56.838 40.263,56.838 S1.D1@40.4,56.7
GPIO18: R45.1 S2.C1 S2.D1 U1.22 | length 56
  SIG1 w0.254: v3(40.2,109.5) 40.2,110.3 40.8,110.9 40.8,112.5 41.3,113 42.8,113 44.6,114.8 U1.22@44.6,117
  SIG2 w0.254: S2.D1@34.4,73.1 34.425,73.125 S2.C1@40.5,73.125 ; R45.1@39.5,71 39.5,72.25 40.45,73.2 40.527,73.2 40.7,73.373 40.7,75.876 41.229,76.405 41.229,77.345 40.2,78.374 v3(40.2,109.5)
GPIO19: R46.1 S3.C1 S3.D1 U1.23 | length 86.9
  SIG1 w0.254: v3(39.6,110.2) 39.625,110.225 39.625,110.525 40.4,111.3 40.4,112.7 41.3,113.6 42.5,113.6 43.75,114.85 U1.23@43.75,117
  SIG2 w0.254: S3.D1@19.4,51.7 19.375,51.725 S3.D1@19.375,52 S3.C1@19.375,58 R46.1@21.5,58 ; R46.1@21.5,58.2 21.5,63.699 25.301,67.5 28,67.5 29.941,65.559 33.251,65.559 33.4,65.708 33.4,74.3 34.2,75.1 37.9,75.1 38.7,75.9 38.7,79.6 39.844,80.744 39.844,95.275 39.6,95.519 v3(39.6,110.2)
GPIO20: R47.1 S4.C1 S4.D1 U1.24 | length 96.4
  SIG1 w0.254: v3(39.5,111.3) 39.5,112.4 41.2,114.1 42.2,114.1 42.9,114.8 U1.24@42.9,117
  SIG2 w0.254: v3(39.5,111.3) 39.538,111.262 40.46,111.262 40.792,110.931 41.2,110.523 41.2,97.361 42,96.561 42,67.897 35.123,61.02 35.123,60.402 36.477,59.048 36.477,56.602 33.771,53.896 33.771,51.584 34.5,50.855 S4.C1@34.5,36.875 S4.D1@40.425,36.875 ; S4.D1@40.5,36.875 R47.1@40.5,38.8